# Altium PCB PCB1.PcbDoc (part 2 of 2)
Units mm, origin at the board's own origin, x right, y up, seen from the top; angles counter-clockwise.
Board outline 149.2 x 182.7 mm, 2 copper layers (Top Layer, Bottom Layer); 221 components, 117 nets, 602 pads, 222 vias.
Unrouted connection lines stored in the file: 1.
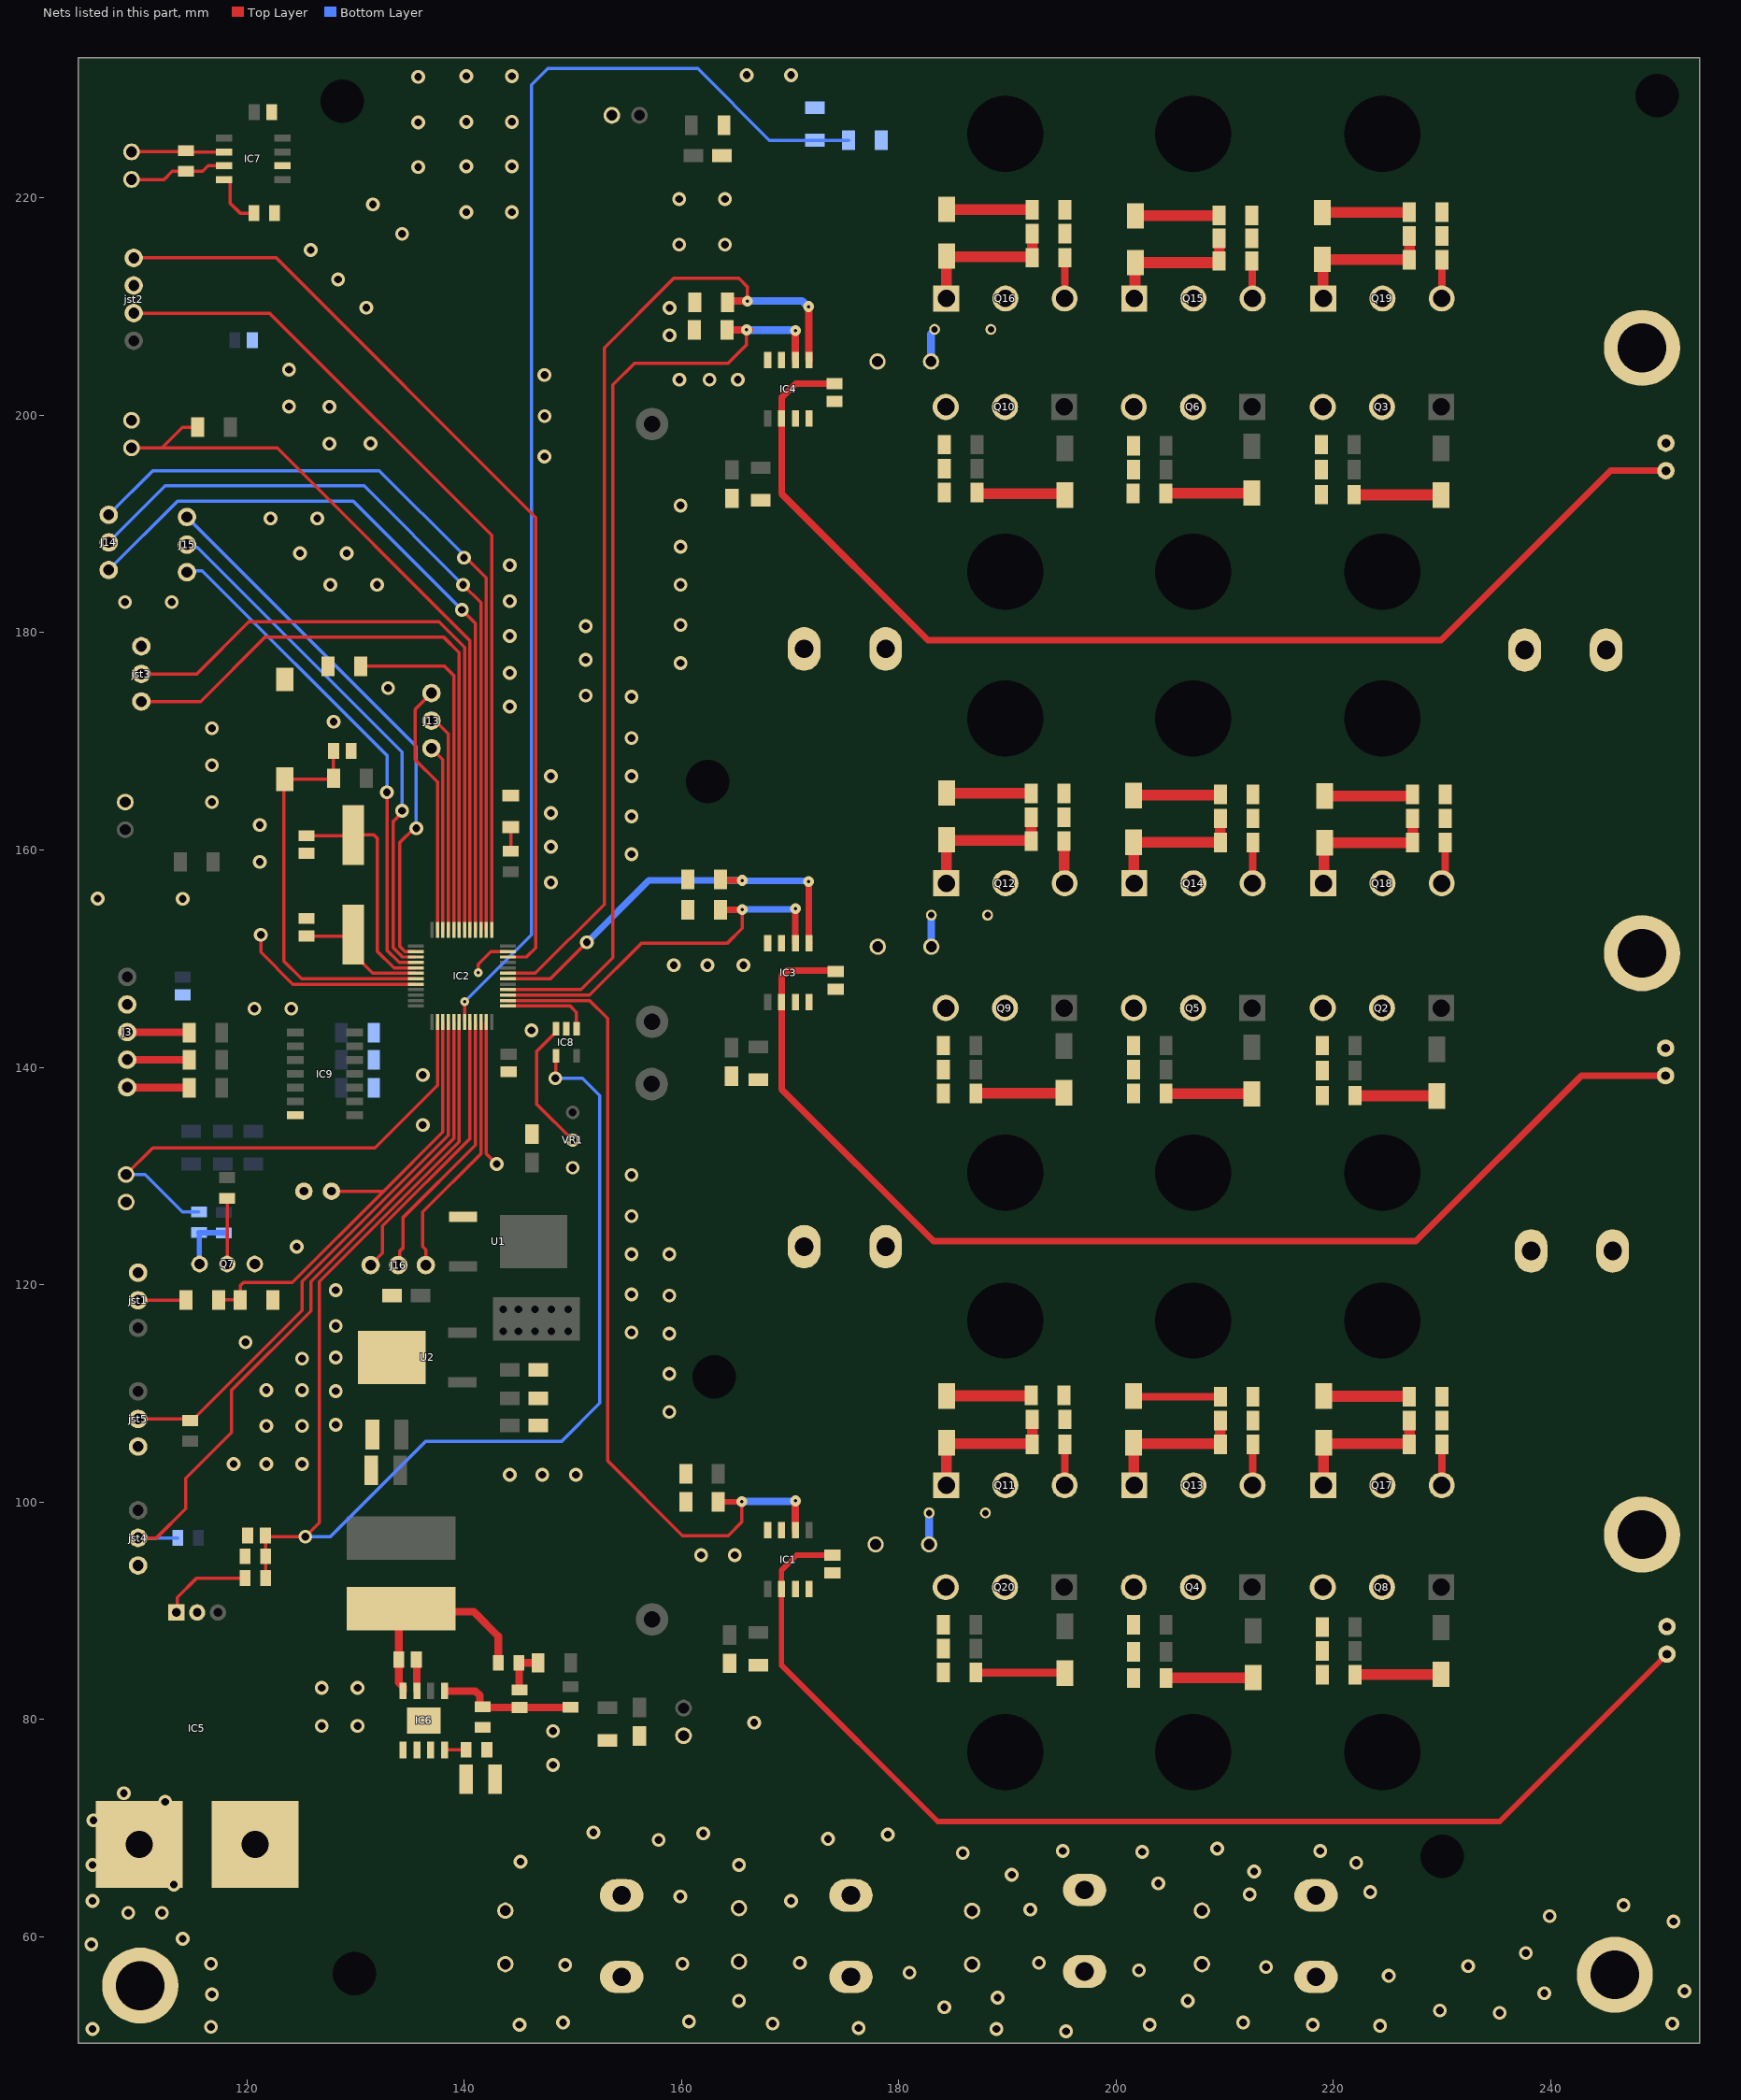
[diagram p2: the nets of this part, all layers, seen from the top]

## Via types
v1: diameter 1.27, hole 0.711, Top Layer to Bottom Layer, 208 vias
v2: diameter 1, hole 0.3, Top Layer to Bottom Layer, 12 vias
v3: diameter 0.8, hole 0.3, Top Layer to Bottom Layer, 2 vias

## Nets (pads, with @x,y where several pads share a name; then routed paths per layer and width w, separated by ;. In a path a pad name is that pad's centre, name@x,y a point inside that pad or via, vN(x,y) a via of type N, cw(c..) or ccw(c..) an arc to the next point about the centre after c; other vN are vias at no path point) (continued)
HI2: IC2.30 IC3.5 R3.1 | length 39.2
  Top Layer w0.3: IC2.30@144.038,148.15 147.95,148.15 v1(151.3,151.5) ; IC3.5@171.727,151.428 IC3.5@171.755,151.4
  Top Layer w0.6: R3.1@163.6,157.3 163.797,157.3 163.9,157.197 165.597,157.197 v2(165.6,157.2) ; v2(171.7,157.1) 171.73,157.07 171.73,151.478 IC3.5@171.755,151.453
  Bottom Layer w0.6: v1(151.3,151.5) 157,157.2 v2(165.6,157.2) 165.65,157.15 171.65,157.15 v2(171.7,157.1)
HI3: IC2.31 IC4.5 R5.1 | length 92.8
  Top Layer w0.3: IC2.31@144.038,148.65 146.55,148.65 152.9,155 152.9,206.2 159.3,212.6 165.3,212.6 166.054,211.846 166.054,210.517 v2(166.061,210.51)
  Top Layer w0.7: R5.1@164.253,210.403 164.36,210.51 v2(166.061,210.51) ; v2(171.7,210) 171.73,209.97 171.73,205.125 IC4.5@171.755,205.1
  Bottom Layer w0.7: v2(166.061,210.51) 171.109,210.51 171.619,210 v2(171.7,210)
HO1: IC1.3 R7.1 R8.1 R49.1 R50.1 R67.1 R68.1
HO2: IC3.3 R13.1 R14.1 R55.1 R56.1 R73.1 R74.1
HO3: IC4.3 R19.1 R20.1 R61.1 R62.1 R79.1 R80.1
HS1: C8.2 C46.2 IC1.4 J5.1 Q4.3 Q8.3 Q11.2 Q13.2 Q17.2 Q20.3 R9.1 R51.1 R69.1 R89.1
HS2: C10.2 C47.2 IC3.4 J2.1 Q2.3 Q5.3 Q9.3 Q12.2 Q14.2 Q18.2 R15.1 R57.1 R75.1 R90.1 | length 1.7
  Top Layer w0.7: J2.1@248.4,148.795 J2.1@248.4,150.5
HS3: C12.2 C48.2 IC4.4 J1.1 Q3.3 Q6.3 Q10.3 Q15.2 Q16.2 Q19.2 R21.1 R63.1 R81.1 R91.1
LG1: Q13.1 R11.2 R12.2 Z2.2 | length 14.4
  Top Layer w1: Z2.2@201.6,105.45 Z2.2@201.635,105.415 ; Q13.1@201.671,101.539 201.635,101.575 Z2.2@201.635,105.415 ; R11.2@209.6,107.5 R12.2@209.6,105.3 209.525,105.375 201.875,105.375 201.85,105.35 201.85,105.2 Z2.2@201.635,105.415
LG1B: Q11.1 R53.2 R54.2 Z8.2 | length 14
  Top Layer w1: Q11.1@184.371,101.539 184.385,101.554 184.385,105.435 Z8.2@184.4,105.45 184.475,105.375 192.225,105.375 192.3,105.45 R53.2@192.3,107.6
LG1C: Q17.1 R71.2 R72.2 Z14.2 | length 14.1
  Top Layer w1: Q17.1@219.071,101.539 219.085,101.554 219.085,105.435 Z14.2@219.1,105.45 219.175,105.375 226.925,105.375 R72.2@227,105.3 R71.2@227,107.5
LG2: Q14.1 R17.2 R18.2 Z4.2 | length 14
  Top Layer w1: Q14.1@201.671,156.939 201.635,156.975 201.635,160.665 Z4.2@201.6,160.7 R18.2@209.6,160.7 R17.2@209.6,162.9
LG2B: Q12.1 R59.2 R60.2 Z10.2 | length 14.1
  Top Layer w1: Q12.1@184.371,156.939 184.385,156.954 184.385,160.935 Z10.2@184.4,160.95 184.475,160.875 192.125,160.875 R60.2@192.2,160.8 R59.2@192.2,163
LG2C: Q18.1 R77.2 R78.2 Z16.2 | length 14.1
  Top Layer w1: Q18.1@219.071,156.939 219.135,157.004 219.135,160.585 Z16.2@219.2,160.65 219.225,160.675 227.275,160.675 R78.2@227.3,160.7 R77.2@227.3,162.9
LG3: Q15.1 R23.2 R24.2 Z6.2 | length 13.3
  Top Layer w1: Q15.1@201.671,210.739 201.735,210.804 201.735,213.985 Z6.2@201.8,214.05 209.4,214.05 209.5,214.15 R24.2@209.5,214.2 R23.2@209.5,216.3
LG3B: Q16.1 R65.2 R66.2 Z12.2 | length 13.9
  Top Layer w1: Q16.1@184.371,210.739 184.385,210.754 184.385,214.635 Z12.2@184.4,214.65 184.475,214.575 192.225,214.575 192.3,214.65 R65.2@192.3,216.7
LG3C: Q19.1 R83.2 R84.2 Z18.2 | length 13.8
  Top Layer w1: Z18.2@219,214.35 Z18.2@219.025,214.325 ; Q19.1@219.071,210.739 219.035,210.774 219.035,214.315 Z18.2@219.025,214.325 ; R83.2@227,216.5 R84.2@227,214.3 226.975,214.325 Z18.2@219.025,214.325
LI1: IC1.6 IC2.26 R2.1 | length 78
  Top Layer w0.3: IC2.26@144.038,146.15 151.55,146.15 153.2,144.5 153.2,103.8 160.1,96.9 164.3,96.9 165.567,98.167 v2(165.567,100.022)
  Top Layer w0.5: R2.1@163.4,100 163.422,100.022 v2(165.567,100.022)
  Top Layer w0.7: IC1.6@170.485,97.4 170.492,97.408 170.492,100.092 v2(170.5,100.1)
  Bottom Layer w0.5: v2(165.567,100.022) v2@165.581,100.035
  Bottom Layer w0.7: v2@165.581,100.035 165.606,100.061 170.461,100.061 v2(170.5,100.1)
LI2: IC2.27 IC3.6 R4.1 | length 36
  Top Layer w0.3: IC2.27@144.038,146.65 151.55,146.65 156.3,151.4 164.2,151.4 165.6,152.8 v2(165.6,154.5) ; IC3.6@170.485,151.4 IC3.6@170.492,151.408
  Top Layer w0.6: R4.1@163.6,154.5 v2(165.6,154.5) ; IC3.6@170.492,151.408 170.485,151.415 170.492,151.423 170.492,154.593 v2(170.5,154.6)
  Bottom Layer w0.6: v2(165.6,154.5) 165.65,154.55 170.45,154.55 v2(170.5,154.6)
LI3: IC2.28 IC4.6 R6.1 | length 87.7
  Top Layer w0.3: IC2.28@144.038,147.15 150.75,147.15 153.7,150.1 153.7,202.8 155.7,204.8 164.3,204.8 166.007,206.507 v2(166.007,207.857)
  Top Layer w0.7: R6.1@164.2,207.85 164.203,207.853 166.004,207.853 v2(166.007,207.857) ; v2@166.2,207.9 v2@166.243,207.857 ; IC4.6@170.485,205.1 170.492,205.108 170.492,207.793 v2(170.5,207.8)
  Bottom Layer w0.7: v2@166.146,207.828 170.472,207.828 v2(170.5,207.8)
LO1: IC1.8 R10.1 R11.1 R52.1 R53.1 R70.1 R71.1
LO2: IC3.8 R16.1 R17.1 R58.1 R59.1 R76.1 R77.1
LO3: IC4.8 R22.1 R23.1 R64.1 R65.1 R82.1 R83.1
MOD1: IC2.41 J12.2 R88.2 | length 69.2
  Top Layer w0.3: J12.2@109.4,197 112.2,197 ; R88.2@115.5,198.9 114.1,198.9 112.2,197 ; IC2.41@140.55,152.638 140.55,179.25 122.8,197 112.2,197
NetC8_1: C8.1 C46.1 IC1.2 | length 108
  Top Layer w0.5: C46.1@174,95.21 C46.1@173.9,95.11 170.61,95.11 169.215,93.715 IC1.2@169.215,92 169.215,84.985 183.6,70.6 235.3,70.6 241.7,77 C8.1@250.7,86
NetC10_1: C10.1 C47.1 IC3.2 | length 108.6
  Top Layer w0.6: C47.1@173.6,148.9 169.7,148.9 169.215,148.415 IC3.2@169.215,146 169.215,137.985 183.2,124 227.6,124 242.827,139.227 C10.1@250.573,139.227 ; C47.1@173.79,148.9 C47.1@173.89,149
NetC12_1: C12.1 C48.1 IC4.2 | length 107.8
  Top Layer w0.6: C48.1@174,203.01 C48.1@174.1,202.91 170.51,202.91 169.215,201.615 IC4.2@169.215,199.7 169.215,192.785 182.7,179.3 229.9,179.3 245.5,194.9 C12.1@250.6,194.9
NetC15_2: C15.2 C20.1 R25.1 | length 4.3
  Top Layer w0.7: C20.1@145.1,82.71 145.075,82.735 145.075,85.175 R25.1@145.05,85.2 C15.2@146.825,85.2
NetC16_1: C16.1 IC6.8 L1.1 R25.2 | length 20.3
  Top Layer w0.7: IC6.8@134.395,82.612 134.395,83 133.99,83.405 C16.1@133.99,85.5 133.99,89.99 L1.1@134.2,90.2 134.5,89.9 140.9,89.9 143.15,87.65 R25.2@143.15,85.2
NetC16_2: C16.2 IC6.7 | length 2.9
  Top Layer w0.7: C16.2@135.61,85.5 135.64,85.47 135.64,82.637 IC6.7@135.665,82.612
NetC20_2: C20.2 IC6.5 R34.2 R36.1 | length 12.7
  Top Layer w0.7: IC6.5@138.23,82.612 141.032,82.612 141.442,82.202 141.442,81.3 141.592,81.15 R36.1@141.7,81.15 ; R36.1@141.755,81.095 145.1,81.095 149.795,81.095 R34.2@149.8,81.1
NetC51_2: C51.2 R89.2 | length 2.9
  Bottom Layer w0.7: C51.2@182.8,96.1 R89.2@182.8,99
NetC54_2: C54.2 R90.2 | length 2.9
  Bottom Layer w0.7: C54.2@183,151.1 R90.2@183,154
NetC55_2: C55.2 R91.2 | length 3.1
  Bottom Layer w0.7: C55.2@182.975,204.95 182.975,207.494 183.3,207.819 R91.2@183.3,207.9
NetJ3_1: J3.1 R32.1 | length 5.7
  Top Layer w0.7: J3.1@109,138.16 109.03,138.13 114.67,138.13 R32.1@114.7,138.1
NetJ3_2: J3.2 R31.1 | length 5.7
  Top Layer w0.7: J3.2@109,140.7 R31.1@114.7,140.7
NetJ3_3: J3.3 R30.1 | length 5.7
  Top Layer w0.7: J3.3@109,143.24 109.02,143.22 114.68,143.22 R30.1@114.7,143.2
NetJ8_1: IC7.6 J8.1 R38.2 | length 8.6
  Top Layer w0.3: J8.1@109.4,224.24 114.69,224.24 114.8,224.35 114.915,224.235 IC7.6@117.9,224.235
NetJ8_2: IC7.7 J8.2 R38.1 | length 9
  Top Layer w0.3: J8.2@109.4,221.7 112.4,221.7 113.15,222.45 114.8,222.45 115.95,222.45 116.465,222.965 IC7.7@117.9,222.965
Netjst1_2: jst1.2 R85.1 | length 4.5
  Top Layer w0.3: jst1.2@110,118.56 114.36,118.56 R85.1@114.4,118.6 R85.1@114.46,118.66
NetLED1_2: LED1.2 R41.1 | length 2.3
  Top Layer w0.3: LED1.2@144.25,162.15 LED1.2@144.3,162.1 R41.1@144.3,159.9
NetQ7_1: Q7.1 R45.1 R46.1 | length 5.3
  Top Layer w0.5: Q7.1@115.63,121.93 Q7.1@115.66,121.9
  Bottom Layer w0.5: R46.1@115.6,124.8 R46.1@115.625,124.775 ; Q7.1@115.66,121.9 115.63,121.93 115.63,124.77 R46.1@115.625,124.775 ; R45.1@117.9,124.75 117.875,124.775 R46.1@115.625,124.775
NetQ7_2: Q7.2 R47.1 | length 6.2
  Top Layer w0.3: R47.1@118,128 118.2,127.8 Q7.2@118.2,121.9
NetR7_2: R7.2 Z1.1 | length 8
  Top Layer w1: R7.2@204.6,83.8 204.625,83.825 212.575,83.825 Z1.1@212.6,83.85
NetR10_2: R10.2 Z2.1 | length 8
  Top Layer w0.7: Z2.1@201.6,109.75 201.65,109.7 R10.2@209.6,109.7
NetR13_2: R13.2 Z3.1 | length 7.9
  Top Layer w1: R13.2@204.6,137.6 204.625,137.575 212.475,137.575 Z3.1@212.5,137.55
NetR16_2: R16.2 Z4.1 | length 8
  Top Layer w1: Z4.1@201.6,165 201.65,165.05 209.55,165.05 R16.2@209.6,165.1
NetR19_2: R19.2 Z5.1 | length 7.9
  Top Layer w1: R19.2@204.578,192.8 204.603,192.825 212.475,192.825 Z5.1@212.5,192.85
NetR22_2: R22.2 Z6.1 | length 7.7
  Top Layer w1: Z6.1@201.8,218.35 201.825,218.375 209.475,218.375 R22.2@209.5,218.4
NetR35_1: IC6.4 R35.1 | length 2
  Top Layer w0.3: IC6.4@138.205,77.188 140.188,77.188 R35.1@140.2,77.2
NetR37_2: IC7.8 R37.2 | length 5.2
  Top Layer w0.3: IC7.8@117.9,221.695 118.281,221.695 118.456,221.52 118.456,219.544 119.4,218.6 R37.2@120.65,218.6
NetR42_1: IC5.1 R42.1 | length 8.4
  Top Layer w0.3: IC5.1@113.529,89.836 113.63,89.937 113.63,91.23 115.4,93 R42.1@119.85,93
  Top Layer w1: IC5.1@113.497,89.868 IC5.1@113.529,89.836
NetR49_2: R49.2 Z7.1 | length 7.9
  Top Layer w1: R49.2@222,84.1 222.025,84.125 229.875,84.125 Z7.1@229.9,84.15
NetR52_2: R52.2 Z8.1 | length 7.8
  Top Layer w1: Z8.1@184.4,109.75 184.425,109.775 192.175,109.775 R52.2@192.2,109.8
NetR55_2: R55.2 Z9.1 | length 7.5
  Top Layer w1: R55.2@222,137.4 222.025,137.375 229.475,137.375 Z9.1@229.5,137.35
NetR58_2: R58.2 Z10.1 | length 7.8
  Top Layer w1: Z10.1@184.4,165.25 184.425,165.225 192.175,165.225 R58.2@192.2,165.2
NetR61_2: R61.2 Z11.1 | length 8
  Top Layer w1: R61.2@221.9,192.7 221.925,192.675 229.875,192.675 Z11.1@229.9,192.65
NetR64_2: R64.2 Z12.1 | length 7.9
  Top Layer w1: Z12.1@184.4,218.95 184.425,218.925 192.275,218.925 R64.2@192.3,218.9
NetR67_2: R67.2 Z13.1 | length 8.2
  Top Layer w0.7: R67.2@187.1,84.3 195.25,84.3 Z13.1@195.3,84.25
NetR70_2: R70.2 Z14.1 | length 7.9
  Top Layer w1: Z14.1@219.1,109.75 219.125,109.725 226.975,109.725 R70.2@227,109.7
NetR73_2: R73.2 Z15.1 | length 8.1
  Top Layer w1: R73.2@187.1,137.6 187.125,137.625 195.174,137.625 Z15.1@195.199,137.65
NetR76_2: R76.2 Z16.1 | length 8.2
  Top Layer w1: Z16.1@219.2,164.95 227.2,164.95 227.3,165.05 R76.2@227.3,165.1
NetR79_2: R79.2 Z17.1 | length 8.2
  Top Layer w1: R79.2@187.2,192.9 187.2,192.875 187.3,192.775 195.174,192.775 Z17.1@195.299,192.65
NetR82_2: R82.2 Z18.1 | length 8
  Top Layer w1: Z18.1@219,218.65 219.025,218.675 226.975,218.675 R82.2@227,218.7
NetR87_1: IC2.44 R87.1 | length 32.3
  Top Layer w0.3: R87.1@130.5,176.9 138.2,176.9 139.05,176.05 IC2.44@139.05,152.638
NetVR1_2: IC8.3 VR1.2 | length 12.3
  Top Layer w0.3: IC8.3@148.45,143.55 148.45,143.225 146.7,141.475 146.7,136.6 VR1.2@150,133.3
NRST: C22.2 IC2.7 R26.2 S1.1 | length 36.7
  Top Layer w0.3: S1.1@123.4,166.618 123.4,149.8 125.05,148.15 IC2.7@135.562,148.15 ; S1.1@123.5,166.51 127.91,166.51 R26.2@128,166.6 127.99,166.61 C22.2@127.99,169.1
osc1: C24.2 IC2.5 X1.2 | length 21.2
  Top Layer w0.3: C24.2@125.5,161.31 129.735,161.31 X1.2@129.8,161.375 131.725,161.375 132,161.1 132,150.7 133.55,149.15 IC2.5@135.562,149.15
osc2: C23.2 IC2.6 X1.1 | length 12.6
  Top Layer w0.3: C23.2@125.5,152.08 129.68,152.08 X1.1@129.8,152.2 129.8,150.45 131.6,148.65 IC2.6@135.562,148.65
PA15: IC2.38 J14.3 | length 73
  Top Layer w0.3: v1(140,186.9) 140.2,186.9 142.05,185.05 IC2.38@142.05,152.638
  Bottom Layer w0.3: J14.3@107.3,190.84 111.36,194.9 132.2,194.9 140,187.1 v1(140,186.9)
PB2: IC2.20 J16.1 | length 26.2
  Top Layer w0.3: J16.1@131.4,121.8 132.5,122.9 132.5,125.393 140.55,133.443 IC2.20@140.55,144.162
PB3: IC2.39 J14.2 | length 71
  Top Layer w0.3: v1(139.9,184.4) 141.55,182.75 IC2.39@141.55,152.638
  Bottom Layer w0.3: J14.2@107.3,188.3 112.5,193.5 130.8,193.5 v1(139.9,184.4)
PB4: IC2.40 J14.1 | length 69.2
  Top Layer w0.3: v1(139.8,182.1) 141.05,180.85 IC2.40@141.05,152.638
  Bottom Layer w0.3: J14.1@107.3,185.76 113.64,192.1 129.8,192.1 v1(139.8,182.1)
PB8: IC2.45 J13.2 | length 19.8
  Top Layer w0.3: J13.2@137.3,171.94 138.55,170.69 IC2.45@138.55,152.638
PB9: IC2.46 J13.3 | length 17.2
  Top Layer w0.3: J13.3@137,169.36 138.05,168.31 IC2.46@138.05,152.638
PB10: IC2.21 J16.2 | length 25.3
  Top Layer w0.3: J16.2@133.94,121.8 134.1,121.96 134.1,123.1 134.4,123.4 134.4,126.2 141.05,132.85 IC2.21@141.05,144.162
PB11: IC2.22 J16.3 | length 24.7
  Top Layer w0.3: J16.3@136.48,121.8 136.48,123.22 136.2,123.5 136.2,126.7 141.55,132.05 IC2.22@141.55,144.162
PB12: IC2.25 IC8.1 | length 8.1
  Top Layer w0.3: IC2.25@144.038,145.65 149.75,145.65 150.35,145.05 IC8.1@150.35,143.55
PC13: IC2.2 J15.3 | length 50.7
  Top Layer w0.3: IC2.2@135.562,150.65 134.557,150.65 134.1,151.107 134.1,160.7 135.4,162 v1(135.6,162)
  Bottom Layer w0.3: J15.3@114.5,190.64 135.6,169.54 v1(135.6,162)
PC14: IC2.3 J15.2 | length 48.5
  Top Layer w0.3: v1(134.3,163.6) 134.3,163.453 133.5,162.653 133.5,151 134.35,150.15 IC2.3@135.562,150.15
  Bottom Layer w0.3: J15.2@114.5,188.1 114.768,187.832 115.468,187.832 134.3,169 v1(134.3,163.6)
PC15: IC2.4 J15.1 | length 46.6
  Top Layer w0.3: v1(132.9,165.3) 132.9,150.776 134.026,149.65 IC2.4@135.562,149.65
  Bottom Layer w0.3: J15.1@114.5,185.56 114.64,185.7 115.9,185.7 132.9,168.7 v1(132.9,165.3)
RX1: IC2.43 jst3.3 | length 57.8
  Top Layer w0.3: jst3.3@110.3,173.66 115.76,173.66 121.7,179.6 138.1,179.6 139.55,178.15 IC2.43@139.55,152.638
S: C49.1 IC2.18 IC8.4 R42.2 R48.2 | length 128.2
  Top Layer w0.3: R42.2@121.75,93 R48.2@121.75,95 121.75,96.86 C49.1@121.71,96.9 121.81,96.8 v1(125.4,96.8) 126.7,98.1 126.7,120.3 139.55,133.15 IC2.18@139.55,144.162 ; v1(148.4,139) 148.425,139.025 148.425,141.025 IC8.4@148.45,141.05
  Bottom Layer w0.3: v1(125.4,96.8) 127.7,96.8 136.5,105.6 149,105.6 152.5,109.1 152.5,137.4 150.9,139 v1(148.4,139)
SOURCES: C1.2 C2.2 C3.2 C4.2 C5.2 C6.2 C7.1 C9.1 C11.1 C13.2 C14.2 C17.2 C18.2 C19.2 C21.2 C22.1 C23.1 C24.1 C25.1 C26.1 C27.1 C28.2 C29.2 C30.2 C31.2 C33.1 C34.1 C35.1 C36.2 C37.2 C38.1 C39.2 C40.2 C41.2 C42.1 C43.2 C44.1 C45.2 C49.2 C50.2 C51.1 C52.2 C53.2 C54.1 C55.1 IC1.7 IC2.8 IC2.23 IC2.35 IC2.47 IC3.7 IC4.7 IC5.2 IC5.4 IC5.5 IC6.1 IC6.9 IC7.2 IC8.2 IC9.7 J3.4 J4.1 J6.1 J9.2 J10.2 J11.2 J12.1 J13.1 jst1.1 jst2.3 jst3.1 jst4.3 jst5.3 LED1.1 Q7.3 Q11.3 Q12.3 Q13.3 Q14.3 Q15.3 Q16.3 Q17.3 Q18.3 Q19.3 R1.2 R2.2 R3.2 R4.2 R5.2 R6.2 R12.1 R18.1 R24.1 R35.2 R36.2 R37.1 R44.1 R48.1 R54.1 R60.1 R66.1 R72.1 R78.1 R84.1 R86.1 R87.2 S1.2 U1.1 U2.3 VR1.1 | length 91.5
  Top Layer w0.3: v1(121.3,152.2) 121.3,150.6 124.25,147.65 IC2.8@135.562,147.65 ; J13.1@137,174.44 135.5,172.94 135.5,168.3 137.55,166.25 IC2.47@137.55,152.638 ; v3(141.3,148.7) 141.3,149.5 142.45,150.65 IC2.35@144.038,150.65 ; IC2.23@142.05,144.162 142.05,132.05 v1(143,131.1)
  Top Layer w0.7: Q11.3@195.271,101.539 195.285,101.554 195.285,105.285 R54.1@195.3,105.3 ; Q16.3@195.271,210.739 195.285,210.754 195.285,214.485 R66.1@195.3,214.5 ; R24.1@212.5,214.2 212.535,214.165 212.535,210.775 Q15.3@212.571,210.739 ; Q13.3@212.571,101.539 212.585,101.554 212.585,105.285 R12.1@212.6,105.3 ; Q14.3@212.571,156.939 212.585,156.954 212.585,160.685 R18.1@212.6,160.7 ; Q17.3@229.971,101.539 229.985,101.554 229.985,105.285 R72.1@230,105.3 ; Q18.3@229.971,156.939 230.294,157.262 230.294,158.188 230.3,158.194 R78.1@230.3,160.7 ; Q19.3@229.971,210.739 229.985,210.754 229.985,214.285 R84.1@230,214.3
  Top Layer w1: R60.1@195.2,160.8 195.235,160.765 195.235,156.975 Q12.3@195.271,156.939
  other v1: 105.8,51.5 116.7,51.7 116.8,54.7 116.7,57.5 105.7,59.3 114.1,59.8 109.1,62.2 112.2,62.2 192.1,62.5 105.8,63.3 170.1,63.3 159.9,63.7 212.3,63.9 223.4,64.1 113.3,64.8 203.9,64.9 190.4,65.7 212.7,66 105.8,66.6 165.3,66.6 222.1,66.8 145.2,66.9 185.9,67.7 202.4,67.8 195.1,67.9 218.8,67.9 209.3,68.1 157.9,68.9 173.5,69 179,69.4 162,69.5 151.9,69.6 105.9,70.7 112.5,72.4 108.7,73.2 148.186,75.813 148.186,78.913 126.9,79.4 130.2,79.4 166.7,79.7 126.9,82.9 130.2,82.9 161.813,95.114 164.913,95.114 144.2,102.5 147.2,102.5 150.3,102.5 118.8,103.5 121.8,103.5 125.1,103.5 121.8,107 125.1,107 128.2,107.1 158.9,108.3 128.2,110.2 121.8,110.3 125.1,110.3 158.9,111.8 125.1,113.2 128.2,113.3 119.9,114.7 158.9,115.5 155.417,115.597 128.2,116.2 158.9,119 155.417,119.097 128.2,119.5 155.417,122.797 158.9,122.8 124.6,123.5 155.417,126.297 155.417,130.097 136.2,134.7 136.2,139.3 146.2,143.4 120.7,145.4 124.1,145.4 159.3,149.4 162.4,149.4 165.7,149.4 114.1,155.5 106.29,155.515 148,157 121.2,158.9 155.4,159.6 148,160.3 121.2,162.3 155.4,163.1 148,163.4 116.8,164.4 148,166.8 155.4,166.8 116.8,167.8 155.4,170.3 116.8,171.2 128,171.8 144.2,173.2 155.4,174.1 151.2,174.2 133,174.9 144.2,176.3 159.917,177.197 151.2,177.5 144.2,179.7 151.2,180.6 159.917,180.697 108.795,182.8 113.1,182.8 144.2,182.9 127.695,184.4 132,184.4 159.917,184.397 144.2,186.2 124.895,187.3 129.2,187.3 159.917,187.897 122.195,190.5 126.5,190.5 159.917,191.697 147.4,196.2 127.612,197.391 131.4,197.4 147.409,199.912 127.612,200.791 123.9,200.8 159.817,203.267 162.6,203.267 165.2,203.267 147.4,203.7 123.9,204.2 158.917,207.367 158.917,209.867 131,209.9 128.4,212.5 125.9,215.2 159.8,215.7 164,215.7 134.3,216.7 140.2,218.7 144.4,218.7 131.6,219.4 159.8,219.9 164,219.9 135.79,222.849 140.2,222.9 144.4,222.9 135.79,226.949 140.2,227 144.4,227 135.79,231.149 140.2,231.2 144.4,231.2 166,231.3 170.1,231.3
speed: C6.1 IC2.15 R85.2 R86.2 | length 42.7
  Top Layer w0.3: R85.2@117.4,118.6 R86.2@119.4,118.6 119.4,119.9 119.7,120.2 124.2,120.2 132.6,128.6 ; C6.1@127.8,128.6 132.6,128.6 ; IC2.15@138.05,144.162 138.05,134.05 132.6,128.6
SPEED_M: IC2.14 J9.1 R46.2 | length 46
  Top Layer w0.3: J9.1@108.9,130.14 111.36,132.6 131.8,132.6 137.55,138.35 IC2.14@137.55,144.162
  Bottom Layer w0.3: J9.1@108.9,130.14 110.66,130.14 114.1,126.7 R46.2@115.6,126.7
SWCLK: IC2.37 jst2.2 | length 77.7
  Top Layer w0.3: jst2.2@109.6,209.4 122.1,209.4 142.55,188.95 IC2.37@142.55,152.638
SWDIO: IC2.34 jst2.4 | length 89.4
  Top Layer w0.3: jst2.4@109.6,214.48 122.72,214.48 146.6,190.6 146.6,151 145.75,150.15 IC2.34@144.038,150.15
TEMP1: IC2.17 jst4.2 R40.1 | length 64.1
  Top Layer w0.3: jst4.2@110,96.7 111.7,96.7 114.4,99.4 114.4,102.2 118.6,106.4 118.6,110.293 125.9,117.593 125.9,120.3 139.05,133.45 139.05,137.159 IC2.17@139.05,144.162
  Bottom Layer w0.3: jst4.2@110,96.7 R40.1@113.65,96.7
TEMP2: IC2.16 jst5.2 R39.1 | length 51.4
  Top Layer w0.3: jst5.2@110,107.64 115.165,107.64 115.375,107.85 115.375,107.9 125.1,117.625 125.1,120.3 138.55,133.75 IC2.16@138.55,144.162
TX1: IC2.42 jst3.2 | length 58.7
  Top Layer w0.3: jst3.2@110.3,176.2 115.4,176.2 120.2,181 137.7,181 140.05,178.65 IC2.42@140.05,152.638
VBAT: C1.1 C2.1 C3.1 C4.1 C5.1 C13.1 C14.1 C19.1 C30.1 C31.1 C50.1 C52.1 C53.1 IC6.2 IC6.3 J7.1 Q2.2 Q3.2 Q4.2 Q5.2 Q6.2 Q8.2 Q9.2 Q10.2 Q20.2 R43.2
  other v1: 195.4,51.3 189,51.5 176.3,51.6 224.3,51.8 145.1,51.9 203.1,51.9 218.1,51.9 168.4,52 251.2,52 149.1,52.1 211.7,52.1 160.7,52.2 235.3,53 229.8,53.2 184.2,53.5 165.3,54.1 206.6,54.1 189.1,54.4 239.4,54.8 252.3,55 225.1,56.4 181,56.7 202.1,56.9 213.8,57.2 232.4,57.3 149.3,57.4 160.1,57.5 170.9,57.6 192.9,57.6 237.7,58.5 251.3,61.4 239.9,61.9 246.7,62.9
voltage: IC2.19 R43.1 R44.2 | length 121.3
  Top Layer w0.3: IC2.19@140.05,144.162 v3(140.05,146.05)
  Bottom Layer w0.3: v3(140.05,146.05) 146.2,152.2 146.2,230.4 147.7,231.9 161.5,231.9 168.1,225.3 R44.2@172.3,225.3 R43.1@175.4,225.3
pads on no net: IC6.6 IC7.5 IC9.8 IC9.9 IC9.10 IC9.11 IC9.12 IC9.13

## Polygon pours and split planes (outlines as drawn)
HS1 on Top Layer "\"\"" (solid, pour order 151): 171.4,91.2 172,91.2 172.4,91.6 172.4,92.6 172.8,93 182.9,93 183,92.9 183.2,93.1 183.2,93.769 182.969,94 172.5,94 171.4,92.9 171.4,92.7
HS1 on Top Layer "\"\"" (solid, pour order 79): 75 vertices, not listed, extent 182.2,87.6 253.7,103.5
HS3 on Top Layer "\"\"" (solid, pour order 150): 171.4,198.9 172.3,198.9 172.6,199.2 172.6,200.5 172.9,200.8 183.6,200.8 183.81,201.01 183.81,202.09 183.6,202.3 183.4,202.1 182.447,202.1 182.247,201.9 172.8,201.9 171.4,200.5
HS3 on Top Layer "\"\"" (solid, pour order 77): 71 vertices, not listed, extent 182.3,196.3 253.7,212.4
HS2 on Top Layer "\"\"" (solid, pour order 149): 171.4,146.8 172.3,147.7 183.1,147.7 184.1,146.7 184.2,146.7 181.5,146.7 172.8,146.7 172.1,146 172.1,145.2 171.4,145.2
HS2 on Top Layer "\"\"" (solid, pour order 78): 77 vertices, not listed, extent 182.3,140.9 253.7,158.6
SOURCES on Top Layer "\"\"" (solid, pour order 147): 55 vertices, not listed, extent 104.6,72.9 172.9,232.9
SOURCES on Top Layer "\"\"" (solid, pour order 132): 142.2,61.3 142.2,70.9 181.4,70.9 183.3,69 222,69 224.6,66.4 224.6,62.3 223.6,61.3
SOURCES on Top Layer "\"\"" (solid, pour order 129): 104.6,50.3 118.6,50.3 119.3,51 119.3,56.4 114.5,61.2 114.5,72.6 112.3,74.8 106.5,74.8 104.6,72.9 104.6,68.1
VBAT on Top Layer "\"\"" (solid, pour order 57): 20 vertices, not listed, extent 135.212,50.4 253.6,77.962
HO3 on Top Layer "\"\"" (solid, pour order 92): 30 vertices, not listed, extent 170.1,189.3 219.8,200.5
LO3 on Top Layer "\"\"" (solid, pour order 91): 31 vertices, not listed, extent 167.154,204.3 232.754,222.099
LO2 on Top Layer "\"\"" (solid, pour order 90): 31 vertices, not listed, extent 167.054,151.999 232.654,168.399
HO2 on Top Layer "\"\"" (solid, pour order 89): 30 vertices, not listed, extent 170.1,134.1 219.7,146.8
HO1 on Top Layer "\"\"" (solid, pour order 88): 31 vertices, not listed, extent 170.1,80.6 219.8,92.8
LO1 on Top Layer "\"\"" (solid, pour order 87): 31 vertices, not listed, extent 167.1,96.6 232.7,113
+12B on Top Layer "\"\"" (solid, pour order 29): 168.3,200.5 167,201.8 155.9,201.8 154.9,200.8 154.9,197.3 155.5,196.7 163,196.7 163.4,196.3 163.4,194.9 164.2,194.1 168.3,194.1 168.3,198.2 168.3,200.5 168,200.8
+12A on Top Layer "\"\"" (solid, pour order 30): 162.7,139.7 163.9,140.9 168.2,140.9 168.2,145.2 168.3,145.3 168.3,146.8 167.4,147.7 156.4,147.7 154.6,145.9 154.6,136.6 155.4,135.7 158,135.7 160.4,135.7 162.7,138
+12 on Top Layer "\"\"" (solid, pour order 32): 168.3,86.9 168.3,92.8 167.5,93.6 159.1,93.6 154.8,89.3 154.8,86.5 155.4,85.9 162.3,85.9 163.3,86.9
VBAT on Bottom Layer "\"\"" (solid, pour order 152): 179.1,224.5 179.4,224.8 179.4,227.6 183,231.2 232.5,231.2 233.9,229.8 234.9,230.8 234.9,231.2 233.7,232.4 181.3,232.4 177.7,228.8 177.7,225 178.1,224.6
VBAT on Bottom Layer "\"\"" (solid, pour order 94): 33 vertices, not listed, extent 141.7,50.4 253.5,231.6
SOURCES on Bottom Layer "\"\"" (solid, pour order 148): 46 vertices, not listed, extent 104.5,72.4 173.6,232.9
SOURCES on Bottom Layer "\"\"" (solid, pour order 95): 58 vertices, not listed, extent 116.1,61.3 224.6,221.4
HS2 on Bottom Layer "\"\"" (solid, pour order 138): 253.7,143.7 247.1,143.7 244.5,146.3 244.5,154.2 247,156.7 253.7,156.7
HS3 on Bottom Layer "\"\"" (solid, pour order 113): 244.4,210.1 246.6,212.3 253.7,212.3 253.7,199.3 246.1,199.3 244.4,201
SOURCES on Bottom Layer "\"\"" (solid, pour order 127): 104.6,50.3 118.6,50.3 119.3,51 119.3,56.4 114.5,61.2 114.5,72.6 112.3,74.8 106.5,74.8 104.6,72.9 104.6,68.1
VBAT on Bottom Layer "\"\"" (solid, pour order 120): 233.4,110.4 233.4,116.7 234.7,118 239.2,118 242.1,120.9 242.1,125.2 239.6,127.7 236,127.7 233.3,130.4 233.3,137.7 234.4,138.8 242.8,138.8 242.8,113.2 240,110.4
HS1 on Bottom Layer "\"\"" (solid, pour order 117): 246.2,103.4 253.7,103.4 253.7,90.4 247.1,90.4 244.9,92.6 244.9,102.1
SOURCES on Bottom Layer "\"\"" (solid, pour order 100): 19 vertices, not listed, extent 211.2,164.3 238,180.5
SOURCES on Bottom Layer "\"\"" (solid, pour order 99): 18 vertices, not listed, extent 210.6,108.9 238.3,125.1
VBAT on Bottom Layer "\"\"" (solid, pour order 98): 196.9,135.9 195.4,137.4 195.4,138.1 202.1,138.1 202.1,136.9 200.5,135.3 200.5,126.3 195.7,121.5 178.6,121.5 178.6,123.1 178.9,123.4 178.6,125.5 193.8,125.5 196.9,128.6
VBAT on Bottom Layer "\"\"" (solid, pour order 97): 197.3,191.4 196.2,192.5 196.2,193.3 202.6,193.3 200.7,191.4 200.7,181.3 195.9,176.5 178.8,176.5 178.8,178.1 179.1,178.4 178.8,180.5 194,180.5 197.3,183.8
SOURCES on Bottom Layer "\"\"" (solid, pour order 83): 31 vertices, not listed, extent 184,154.4 232,165.5
SOURCES on Bottom Layer "\"\"" (solid, pour order 84): 31 vertices, not listed, extent 183.8,208.6 231.8,219.7
SOURCES on Bottom Layer "\"\"" (solid, pour order 85): 31 vertices, not listed, extent 183.9,99.2 231.7,110.3
VBAT on Bottom Layer "\"\"" (solid, pour order 82): 31 vertices, not listed, extent 187.1,192.5 235.9,203.6
VBAT on Bottom Layer "\"\"" (solid, pour order 81): 31 vertices, not listed, extent 187.2,136.9 236,148
VBAT on Bottom Layer "\"\"" (solid, pour order 80): 31 vertices, not listed, extent 187.1,83.6 235.9,94.7
HS1 on Top Solder "\"\"" (solid, pour order 103): 66 vertices, not listed, extent 182.2,87.6 253.7,103.5
SOURCES on Top Solder "\"\"" (solid, pour order 130): 104.6,50.3 118.6,50.3 119.3,51 119.3,56.4 114.5,61.2 114.5,72.6 112.3,74.8 106.5,74.8 104.6,72.9 104.6,68.1
HS3 on Top Solder "\"\"" (solid, pour order 105): 66 vertices, not listed, extent 182.3,196.3 253.7,212.4
HS2 on Top Solder "\"\"" (solid, pour order 104): 71 vertices, not listed, extent 182.3,141.1 253.7,158.6
VBAT on Top Solder "\"\"" (solid, pour order 102): 20 vertices, not listed, extent 135.212,50.4 253.6,77.962
VBAT on Top Solder "\"\"" (solid, pour order 24): 135.3,78 137.3,78 137.3,76.1 137.4,76 140.7,76 140.9,75.8 140.9,73.1 140.9,58 140.1,57.2 137.3,57.2 137.3,68.8 135.3,70.8 135.3,75.5
HS2 on Bottom Solder "\"\"" (solid, pour order 140): 244.4,210.1 246.6,212.3 253.7,212.3 253.7,199.3 246.1,199.3 244.4,201
HS2 on Bottom Solder "\"\"" (solid, pour order 139): 253.7,143.7 247.1,143.7 244.5,146.3 244.5,154.2 247,156.7 253.7,156.7 253.7,155.8
SOURCES on Bottom Solder "\"\"" (solid, pour order 128): 104.6,50.3 118.6,50.3 119.3,51 119.3,56.4 114.5,61.2 114.5,72.6 112.3,74.8 106.5,74.8 104.6,72.9 104.6,68.1
VBAT on Bottom Solder "\"\"" (solid, pour order 126): 197.3,191.4 196.2,192.5 196.2,193.3 202.6,193.3 200.7,191.4 200.7,181.3 195.9,176.5 178.8,176.5 178.8,178.1 179.1,178.4 178.8,180.5 194,180.5 197.3,183.8
SOURCES on Bottom Solder "\"\"" (solid, pour order 125): 19 vertices, not listed, extent 211.2,164.3 238,180.5
VBAT on Bottom Solder "\"\"" (solid, pour order 124): 196.9,135.9 195.4,137.4 195.4,138.1 202.1,138.1 202.1,136.9 200.5,135.3 200.5,126.3 195.7,121.5 178.6,121.5 178.6,123.1 178.9,123.4 178.6,125.5 193.8,125.5 196.9,128.6
SOURCES on Bottom Solder "\"\"" (solid, pour order 123): 18 vertices, not listed, extent 210.6,108.9 238.3,125.1
VBAT on Bottom Solder "\"\"" (solid, pour order 121): 233.4,110.4 233.4,116.7 234.7,118 239.2,118 242.1,120.9 242.1,125.2 239.6,127.7 236,127.7 233.3,130.4 233.3,137.7 234.4,138.8 242.8,138.8 242.8,113.2 240,110.4
HS1 on Bottom Solder "\"\"" (solid, pour order 118): 246.2,103.4 253.7,103.4 253.7,90.4 247.1,90.4 244.9,92.6 244.9,102.1
VBAT on Bottom Solder "\"\"" (solid, pour order 112): 31 vertices, not listed, extent 187.1,192.5 235.9,203.6
VBAT on Bottom Solder "\"\"" (solid, pour order 111): 31 vertices, not listed, extent 187.2,136.9 236,148
VBAT on Bottom Solder "\"\"" (solid, pour order 110): 31 vertices, not listed, extent 187.1,83.6 235.9,94.7
SOURCES on Bottom Solder "\"\"" (solid, pour order 108): 31 vertices, not listed, extent 183.9,99.2 231.7,110.3
SOURCES on Bottom Solder "\"\"" (solid, pour order 107): 31 vertices, not listed, extent 183.8,208.6 231.8,219.7
SOURCES on Bottom Solder "\"\"" (solid, pour order 106): 31 vertices, not listed, extent 184,154.4 232,165.5
SOURCES on Bottom Solder "\"\"" (solid, pour order 109): 57 vertices, not listed, extent 116.1,61.3 224.6,221.4
VBAT on Bottom Solder "\"\"" (solid, pour order 101): 33 vertices, not listed, extent 141.7,50.4 253.5,231.6

## Keep-outs
Keep-Out Layer:
  lines w0.1: 104.5,50.2 104.5,232.9 253.7,232.9 253.7,50.2 252.1,50.2 104.5,50.2

## Silkscreen, mask and mechanical layers (free items; w line width, h text height)
Top Overlay:
  drawing of 11 lines, arcs and shapes, not listed
  text "GND" at 154.1,231.383 h1.52 r180
  text "+12" at 157.7,231.4 h1.52 r180
  text "FAN2" at 148.454,229.746 h1.52 r270
  text "CAN" at 108.154,227.754 h1.52
  text "L" at 105.254,223.654 h1.52
  text "H" at 105.254,220.954 h1.52
  text "ZEUGMA BLDC" at 149.2,220 h3 r270
  text "DIO" at 105.117,216.9 h1.52 r270
  text "ST LINK" at 113.554,215.054 h1.52
  text "GND" at 105.117,213.6 h1.52 r270
  text "M" at 247.392,212.8 h9
  text "CLK" at 105.117,210.1 h1.52 r270
  text "3V3" at 105.117,206.6 h1.52 r270
  text "GND" at 105.117,201.9 h1.52 r270
  text "MOD1" at 105.117,198.3 h1.52 r270
  text "." at 136.954,197.254 h1.52
  text "PC13" at 116.225,190.236 h1.52
  text "PA15" at 108.8,190.217 h1.52
  text "PB3" at 108.725,187.736 h1.52
  text "PC14" at 116.225,187.736 h1.52
  text "PC15" at 116.225,185.236 h1.52
  text "PB4" at 108.725,185.119 h1.52
  text "GND" at 105.085,181.2 h1.52 r270
  text "UART" at 114.322,179.054 h1.52
  text "BOOT0" at 127.1,178.317 h1.52
  text "TX3" at 105.098,177.1 h1.52 r270
  text "RX3" at 105.098,173.5 h1.52 r270
  text "RETURN" at 106.054,167.854 h1.2
  text "GND" at 104.917,166.9 h1.52 r270
  text "CCW" at 104.917,162.8 h1.52 r270
  text "S" at 248.308,157.8 h9
  text "HALL" at 106.754,151.654 h1.52
  text "5V" at 105.017,149.2 h1.52 r270
  text "GND" at 105.017,147.2 h1.52 r270
  text "Y" at 105,143.799 h1.52 r270
  text "C" at 121.754,142.434 h1.52
  text "S" at 105.017,141.1 h1.52 r270
  text "B" at 121.754,139.934 h1.52
  text "M" at 105.1,138.5 h1.52 r270
  text "A" at 121.754,137.434 h1.52
  text "RPM" at 105.2,132.4 h1.6 r270
  text "GND" at 105.217,128.5 h1.52 r270
  text "PB10" at 133.317,126.5 h1.52 r270
  text "PB11" at 136,126.5 h1.52 r270
  text "PB2" at 130.9,126 h1.52 r270
  text "GND" at 105.217,122.5 h1.52 r270
  text "S" at 105.217,118.8 h1.52 r270
  text "5V" at 105.117,116.7 h1.52 r270
  text "PEDAL" at 113.624,114.124 h1
  text "5V" at 105.017,111.7 h1.52 r270
  text "TEMP1" at 113.624,110.824 h1
  text "S" at 105.017,108 h1.52 r270
  text "GND" at 104.917,105.8 h1.52 r270
  text "Y" at 247.608,104.3 h9
  text "5V" at 105.117,100.8 h1.52 r270
  text "TEMP2" at 113.624,100.624 h1
  text "S" at 105.217,97.2 h1.52 r270
  text "GND" at 105.117,95 h1.52 r270
  text "12V" at 144.854,91.954 h1.52
  text "BUCK" at 143.077,89.354 h1.52
  text "DANGER" at 108.454,83.946 h1.52 r270
  text "+12" at 164.1,83.1 h1.52 r270
  text "GND" at 164.117,79.6 h1.52 r270
  text "IN+" at 241.954,65.454 h3.5
  text "IN-" at 120.054,51.654 h3.5